# Altium PCB Motor-42.PcbDoc
Units mm, origin at the board's own origin, x right, y up, seen from the top; angles counter-clockwise.
Board outline 41.2 x 41.2 mm, 4 copper layers (Top1, Signal2, Gnd3, Bottom4), stack 0.778 mm thick; 59 components, 66 nets, 233 pads, 255 vias.
Unrouted connection lines stored in the file: 54.
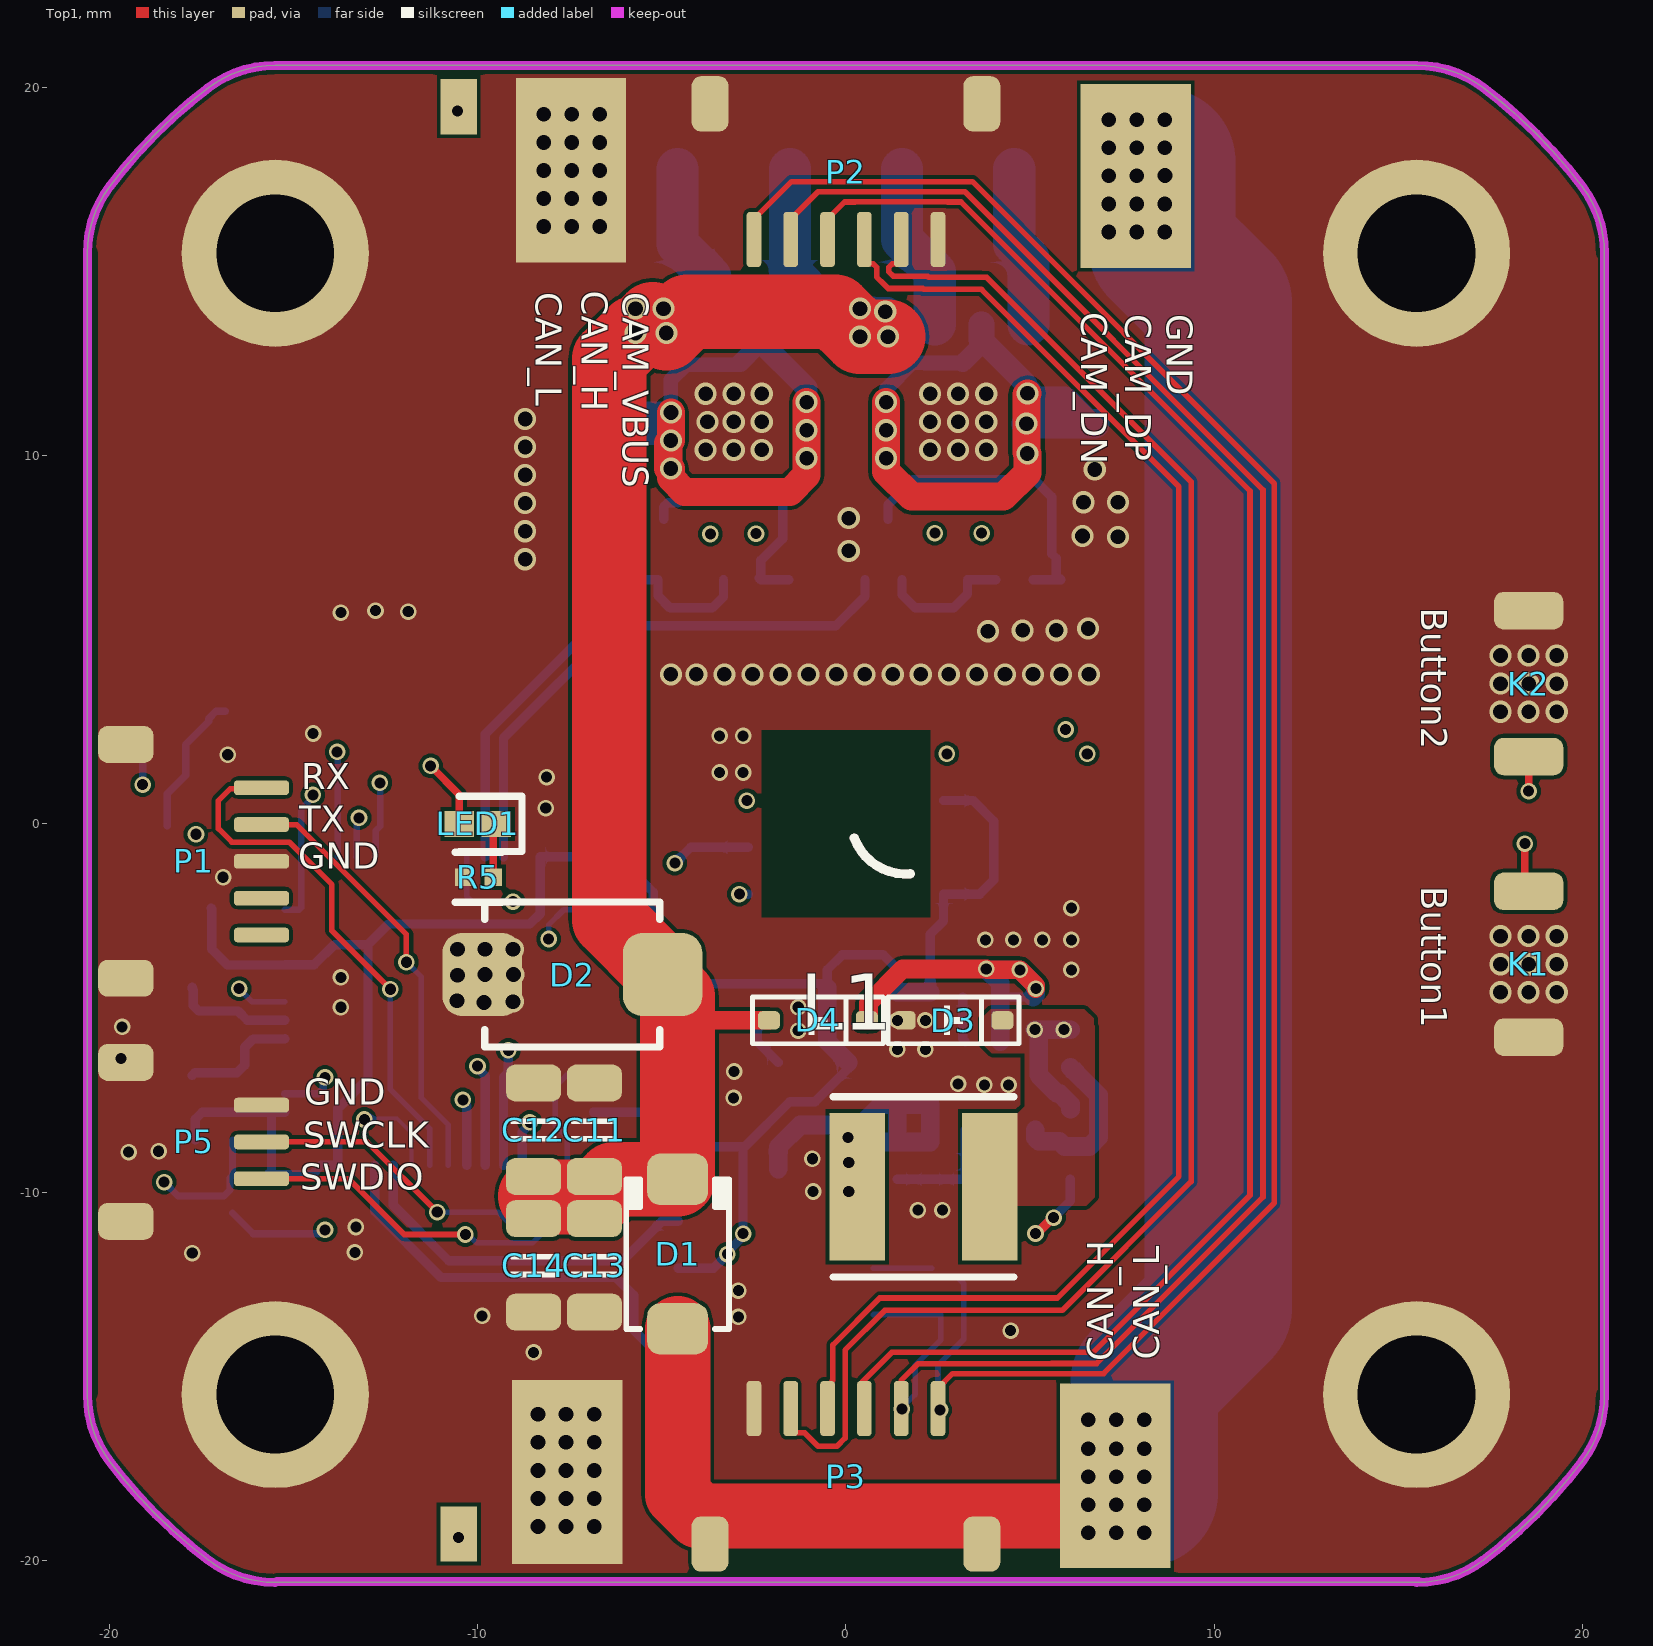
[diagram p0: Top1 view]
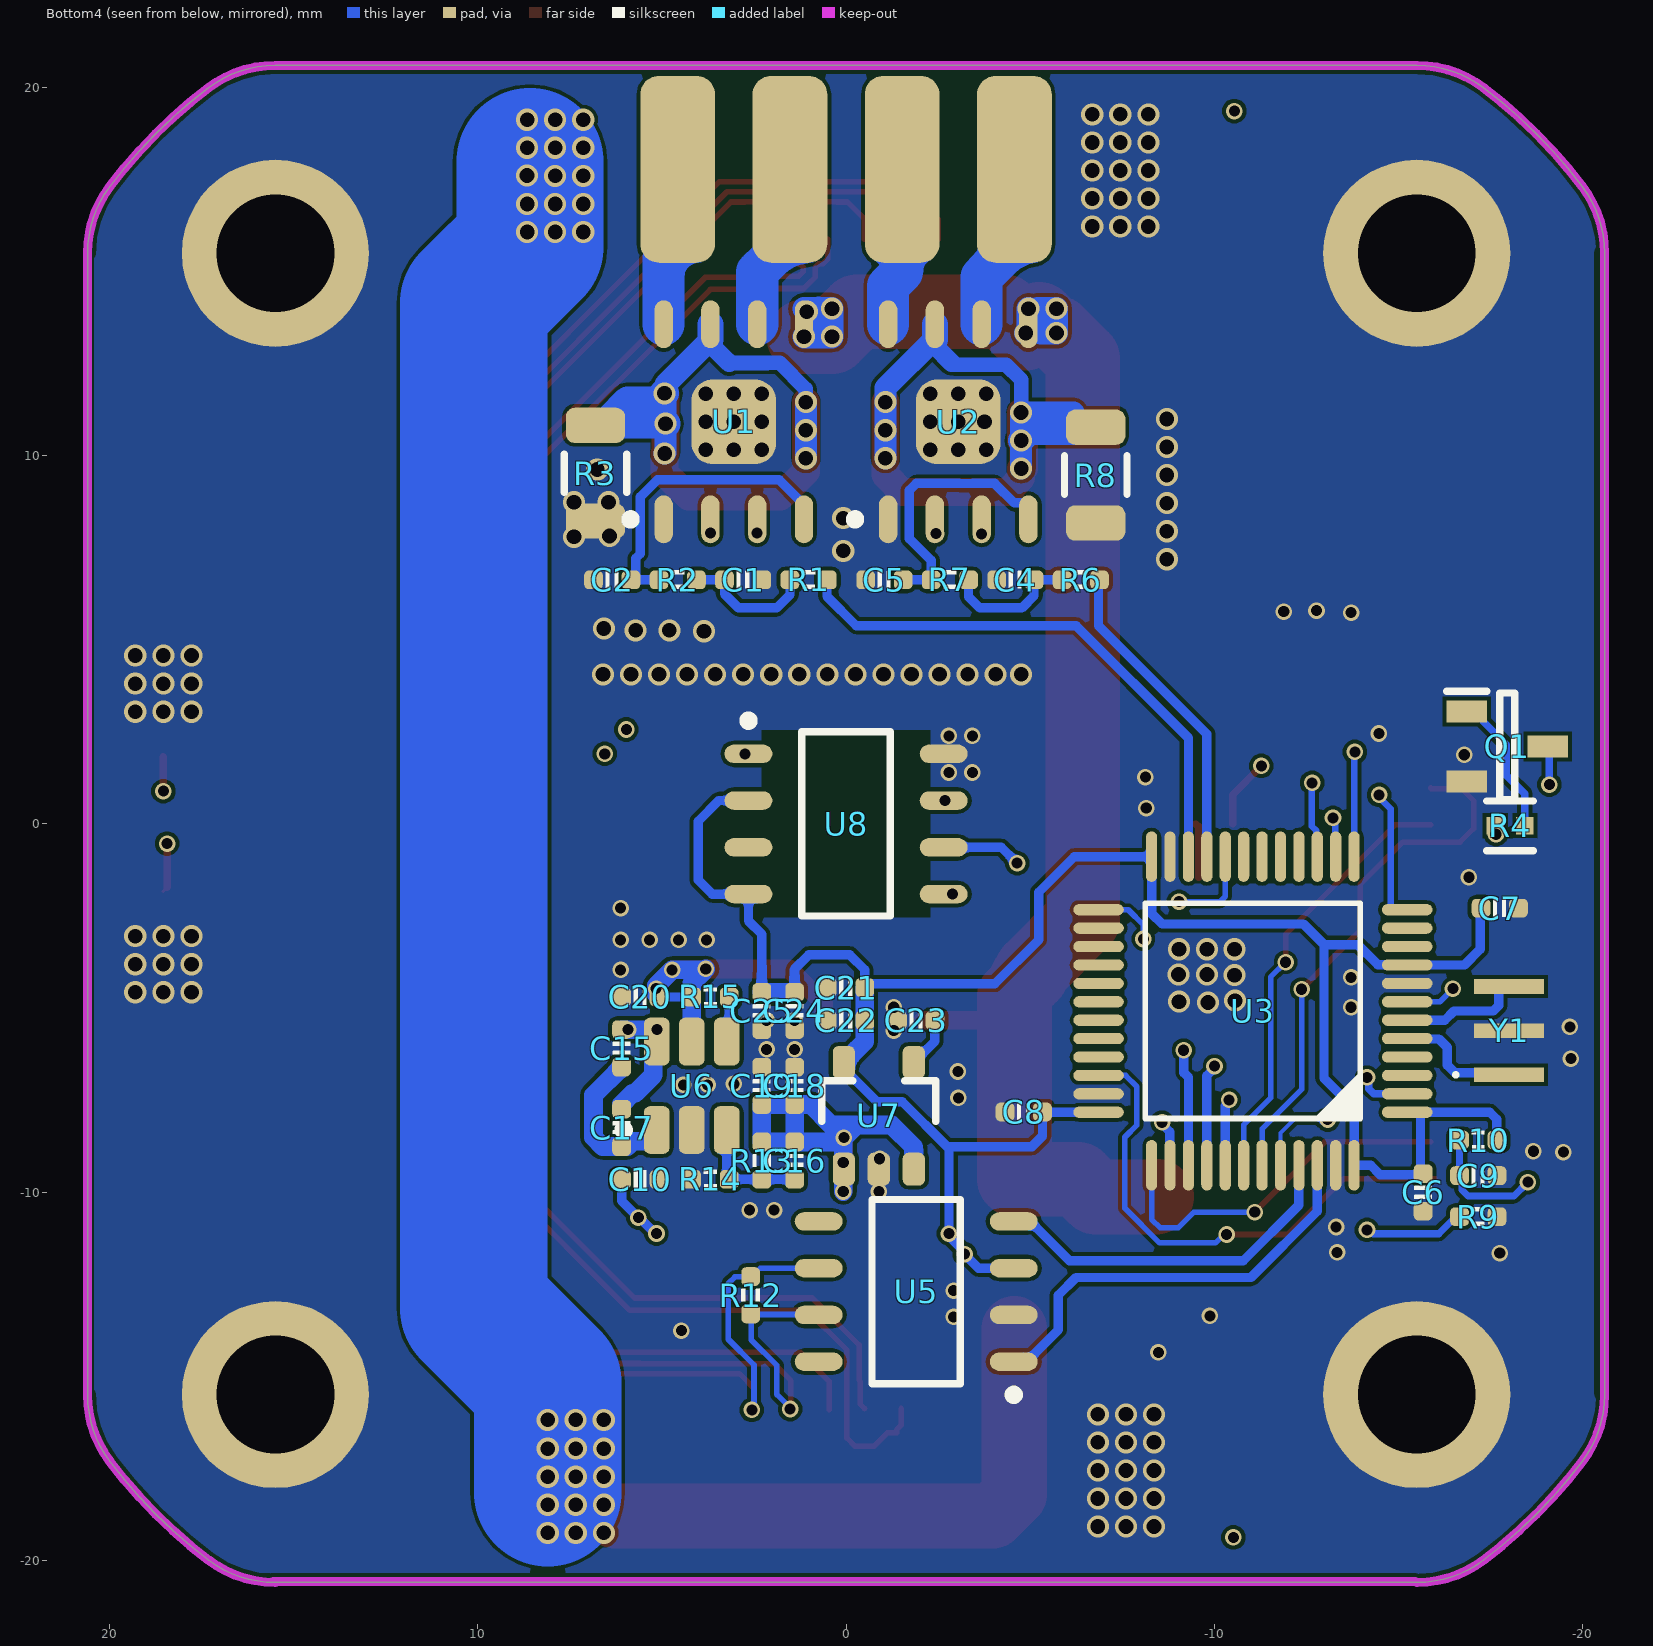
[diagram p1: Bottom4 view, seen from below]
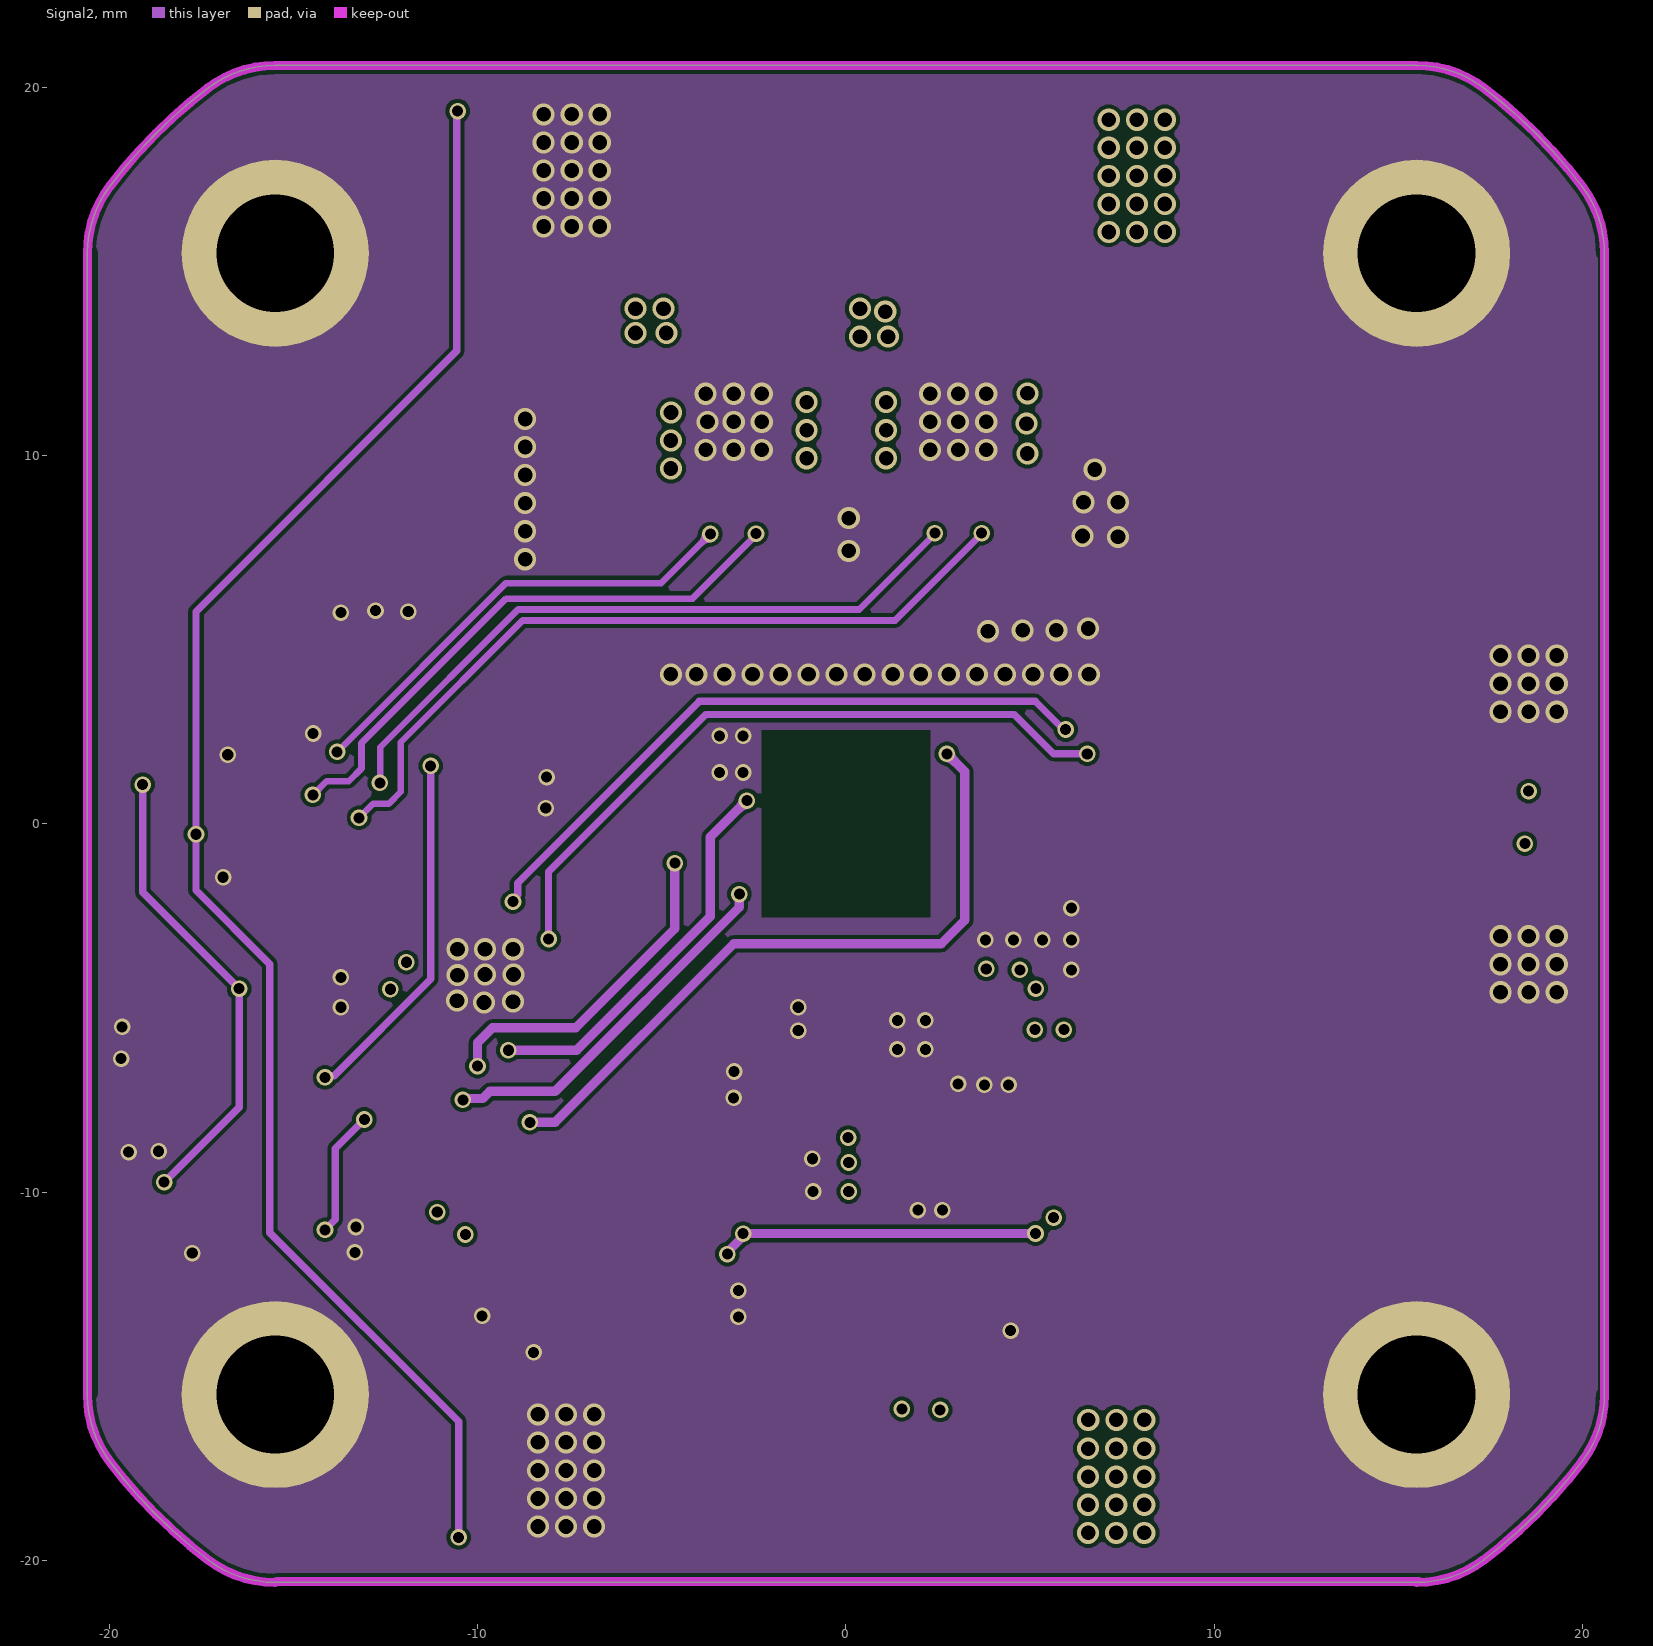
[diagram p2: Signal2]
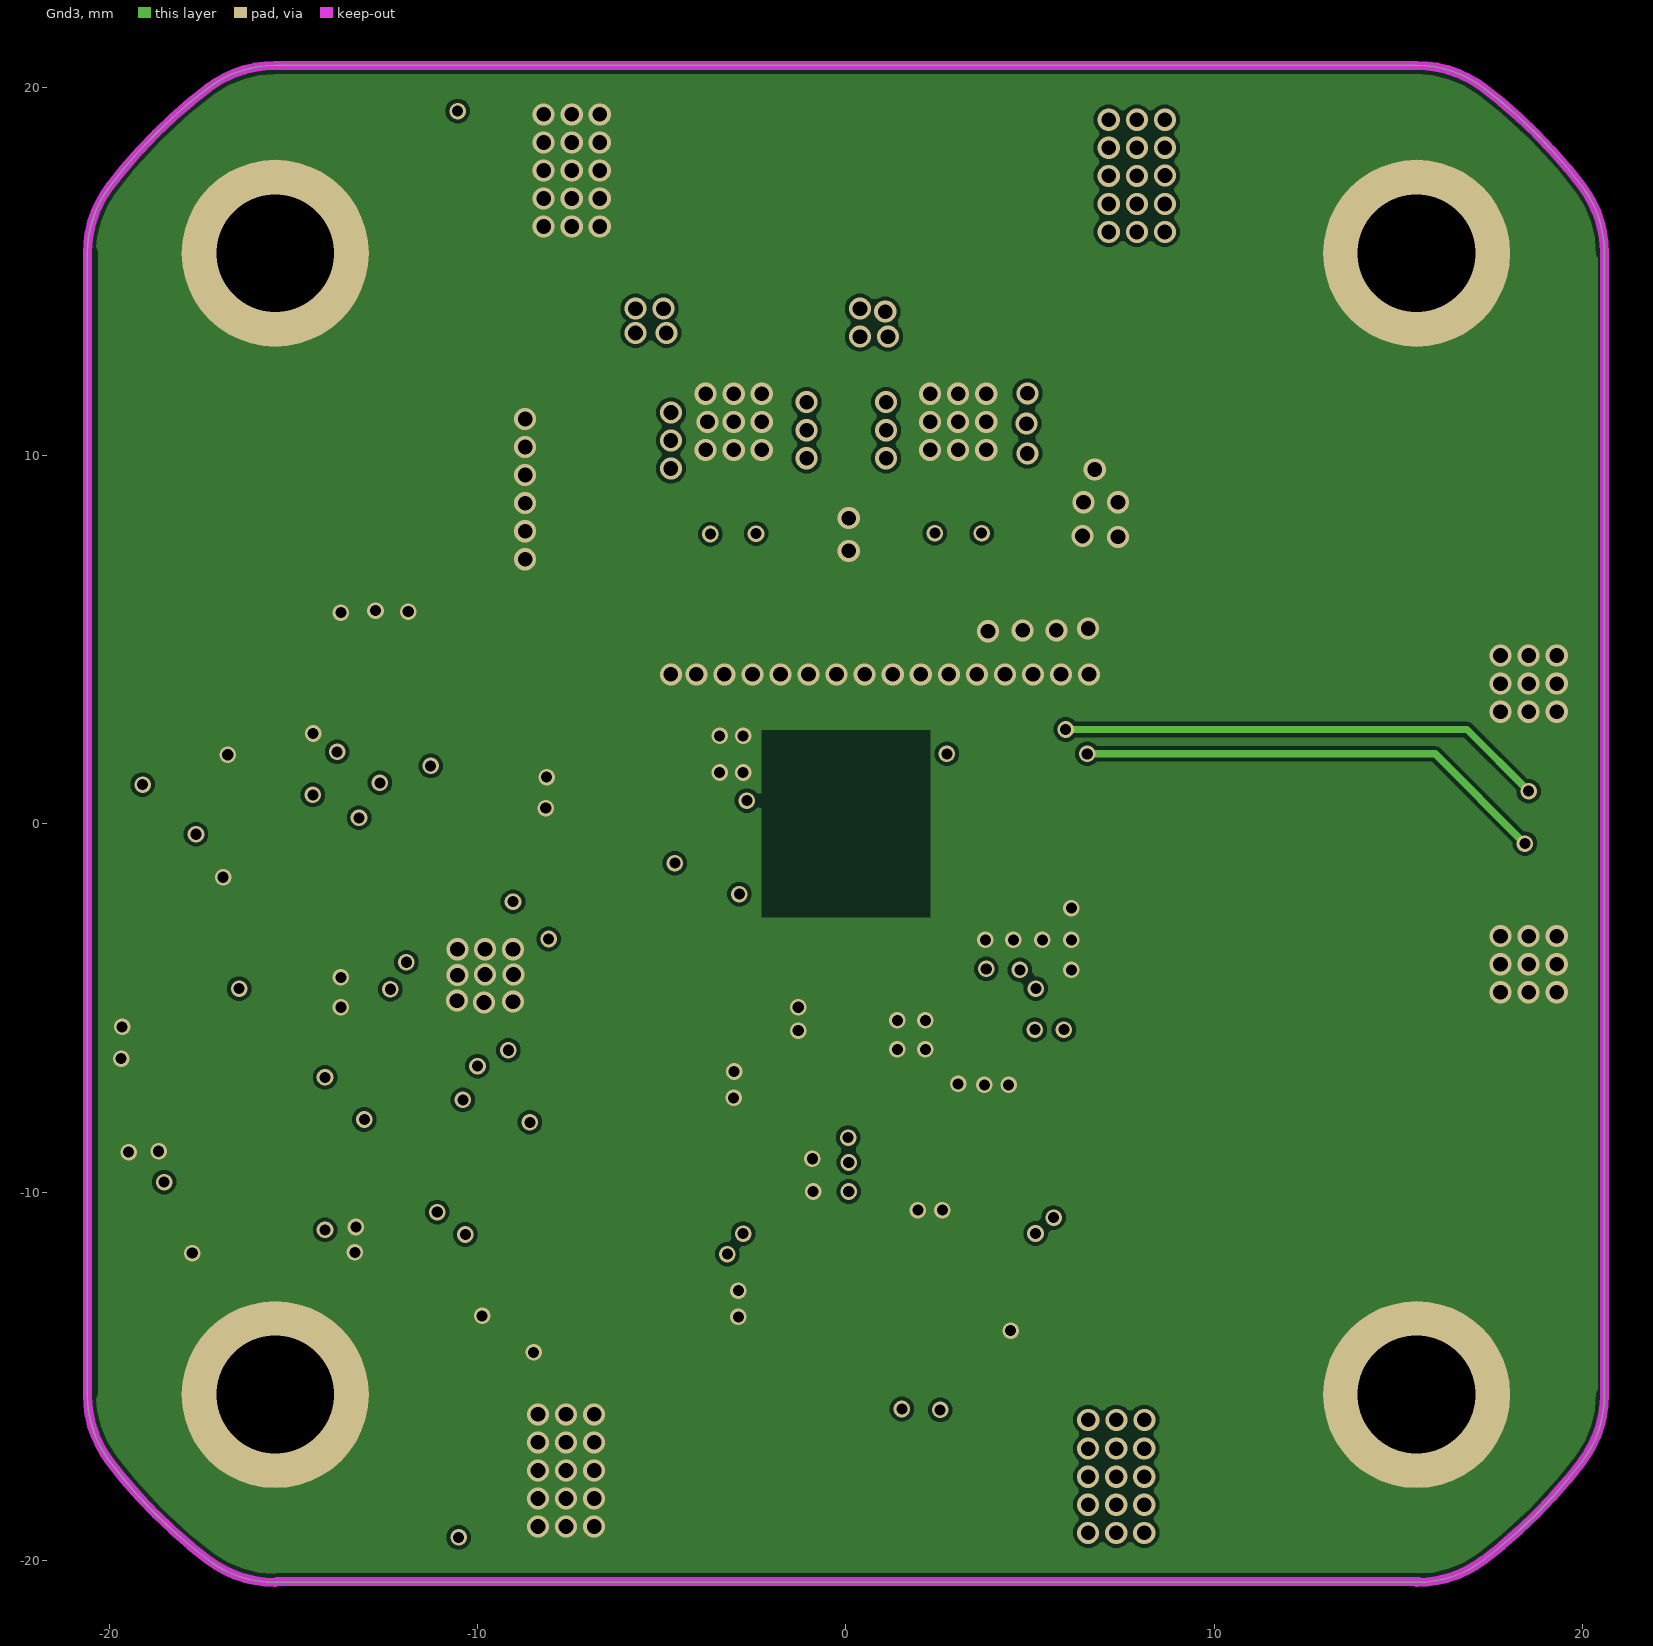
[diagram p3: Gnd3]
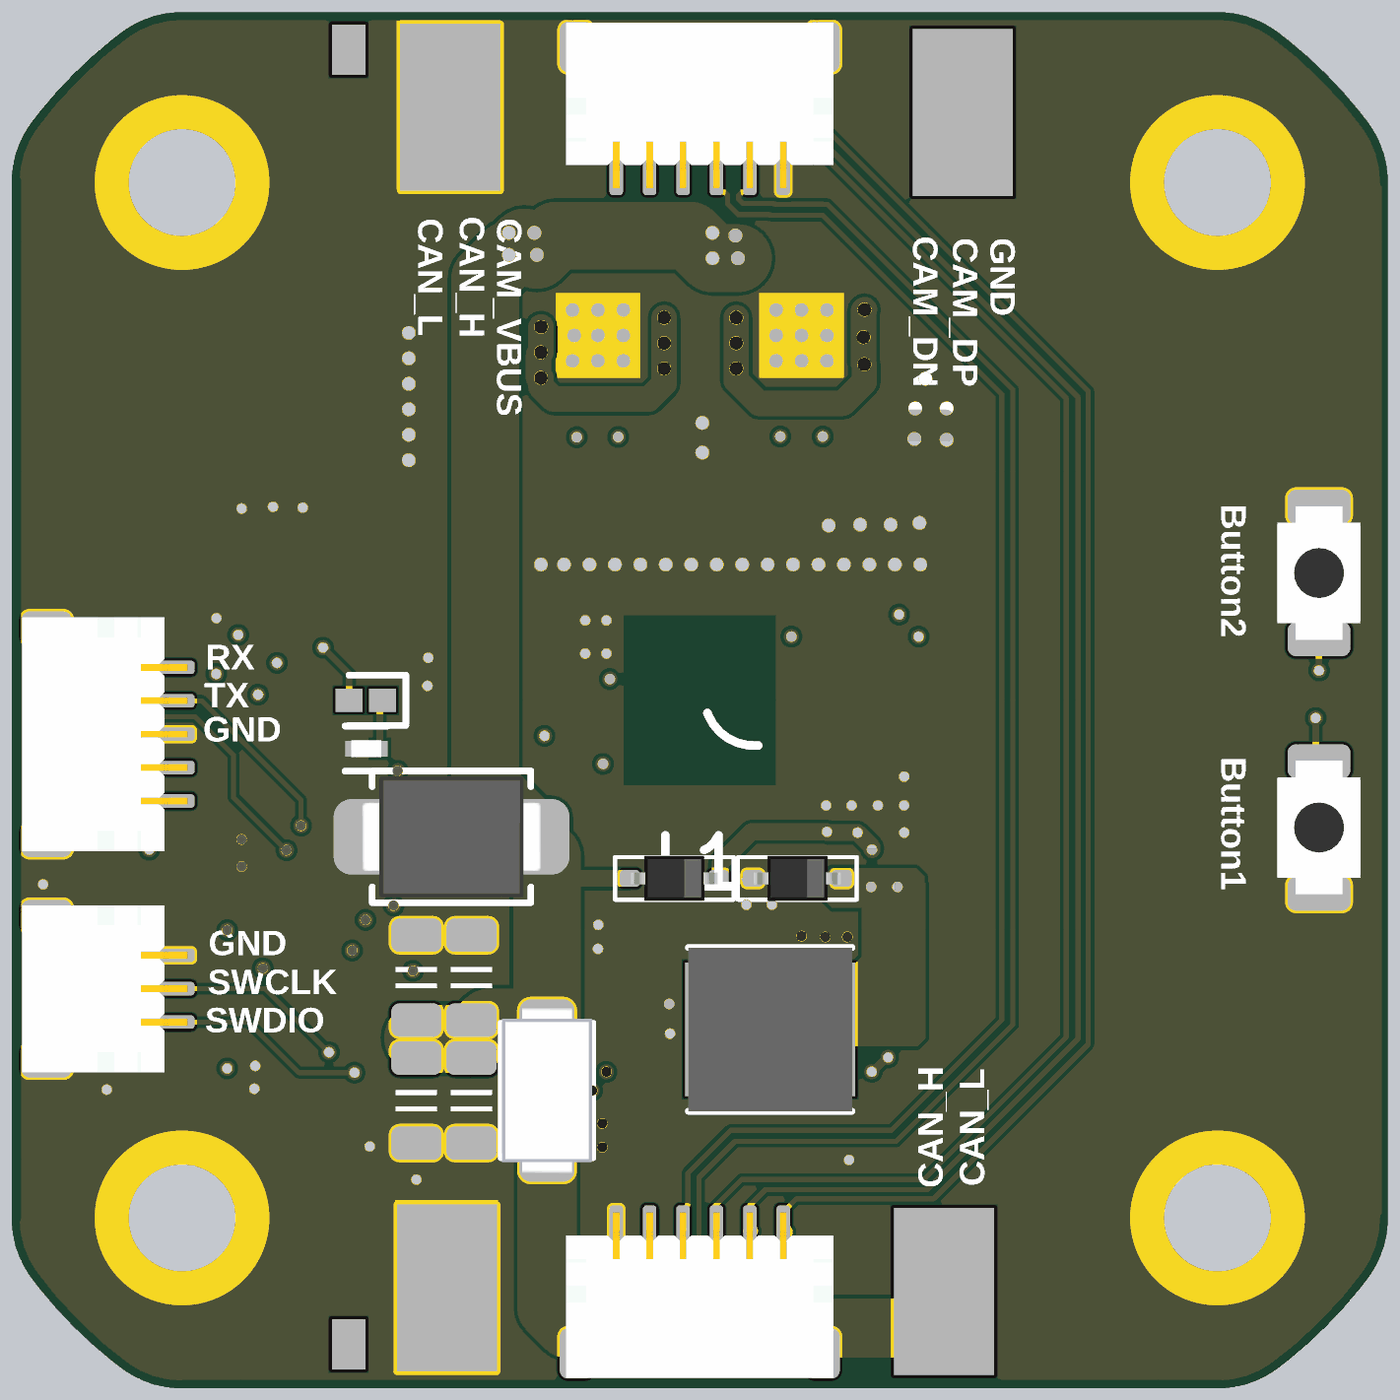
[diagram p4: 3D render of the assembled board from above, using the file's embedded part models]
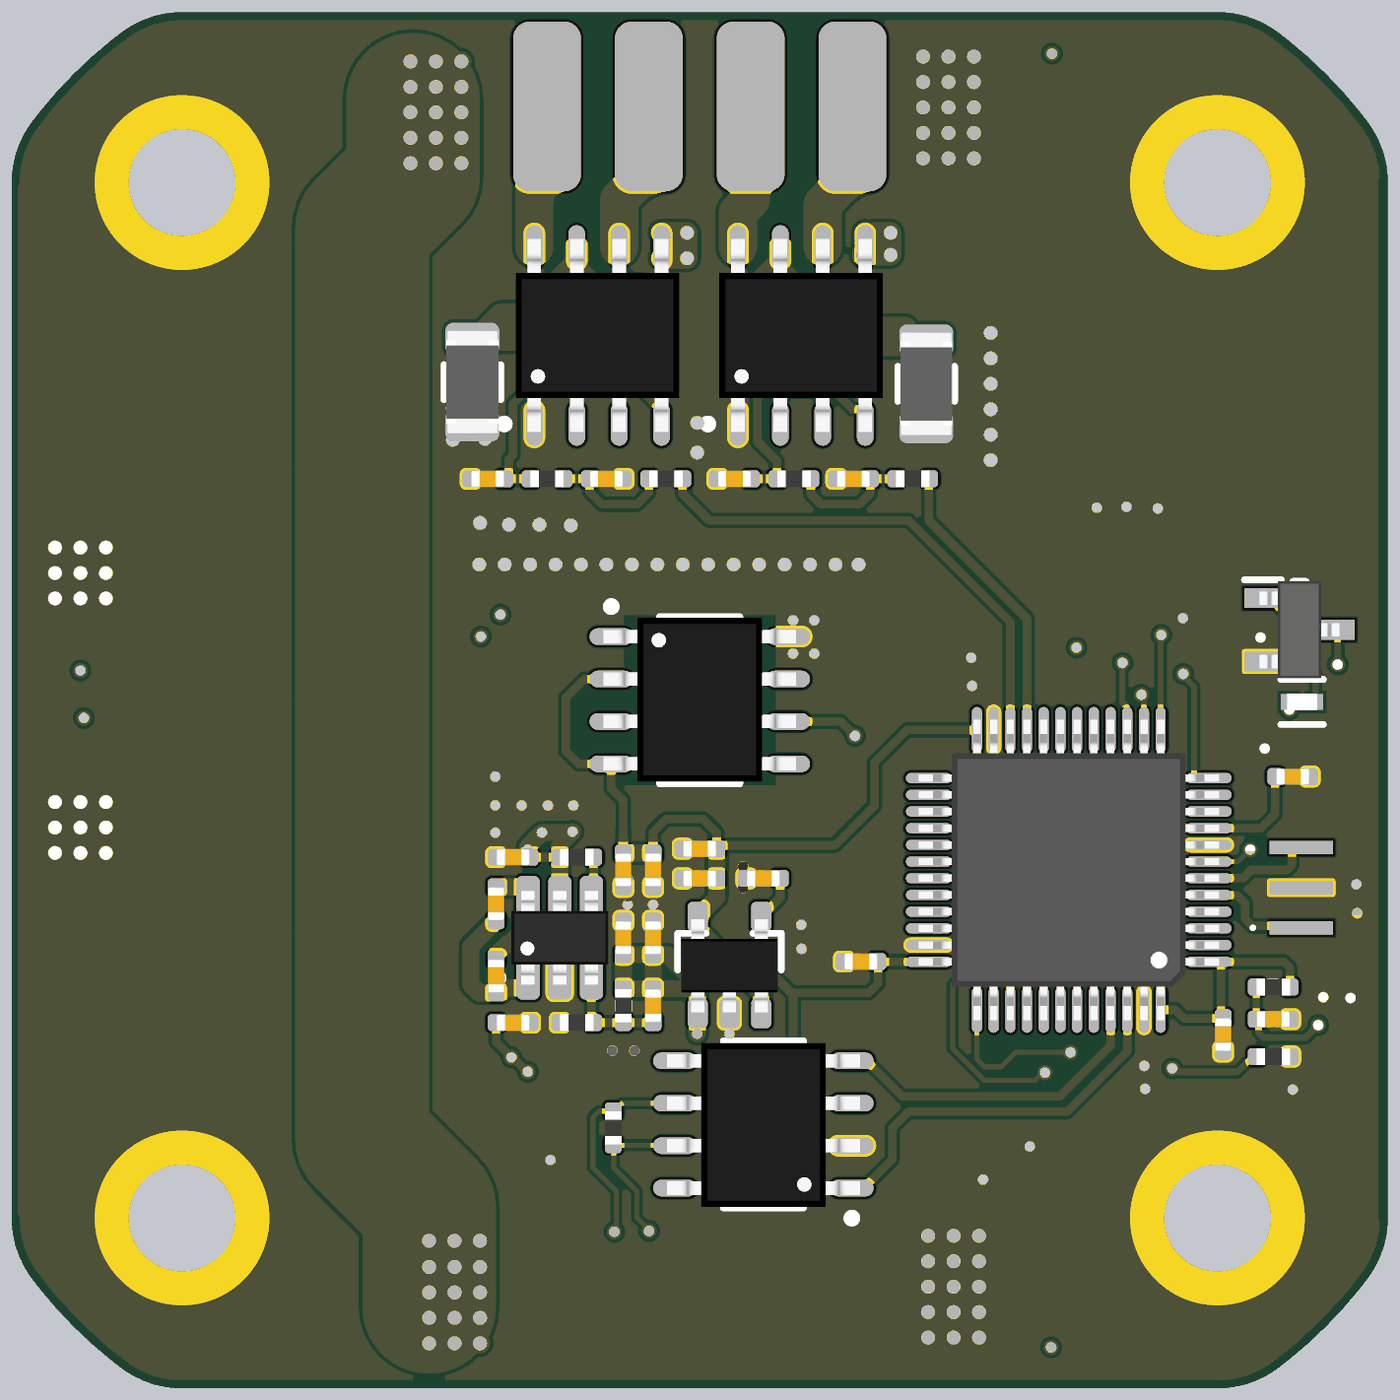
[diagram p5: 3D render of the assembled board from below, using the file's embedded part models]

## Layer stack, top to bottom
Top Solder: solder mask 0.0102, Solder Resist, Dk 3.5
Top1: signal copper 0.0356
Dielectric1: core 0.254, FR-4, Dk 4.2
Signal2: signal copper 0.036
Dielectric2: core 0.254, Dk 4.2
Gnd3: signal copper 0.036
Dielectric3: prepreg 0.127, Dk 4.2
Bottom4: signal copper 0.0356
Bottom Solder: solder mask 0.0102, Solder Resist, Dk 3.5

## Board outline
-19.993,-17.316 cw(c-17.6,-15.506) -20.6,-15.506 -20.6,7.5 -20.6,15.506 cw(c-17.6,15.506) -19.993,17.316 cw(c-9,9) -17.316,19.993 cw(c-15.506,17.6) -15.506,20.6 15.506,20.6 cw(c15.506,17.6) 17.316,19.993 cw(c9,9) 19.993,17.316 cw(c17.6,15.506) 20.6,15.506 20.6,-15.506 cw(c17.6,-15.506) 19.993,-17.316 cw(c9,-9) 17.316,-19.993 cw(c15.506,-17.6) 15.506,-20.6 -15.506,-20.6 cw(c-15.506,-17.6) -17.316,-19.993 cw(c-9,-9)
